# Allegro board 1155001-Timing_board_V3_20241024_1805_pcb.brd (continued)
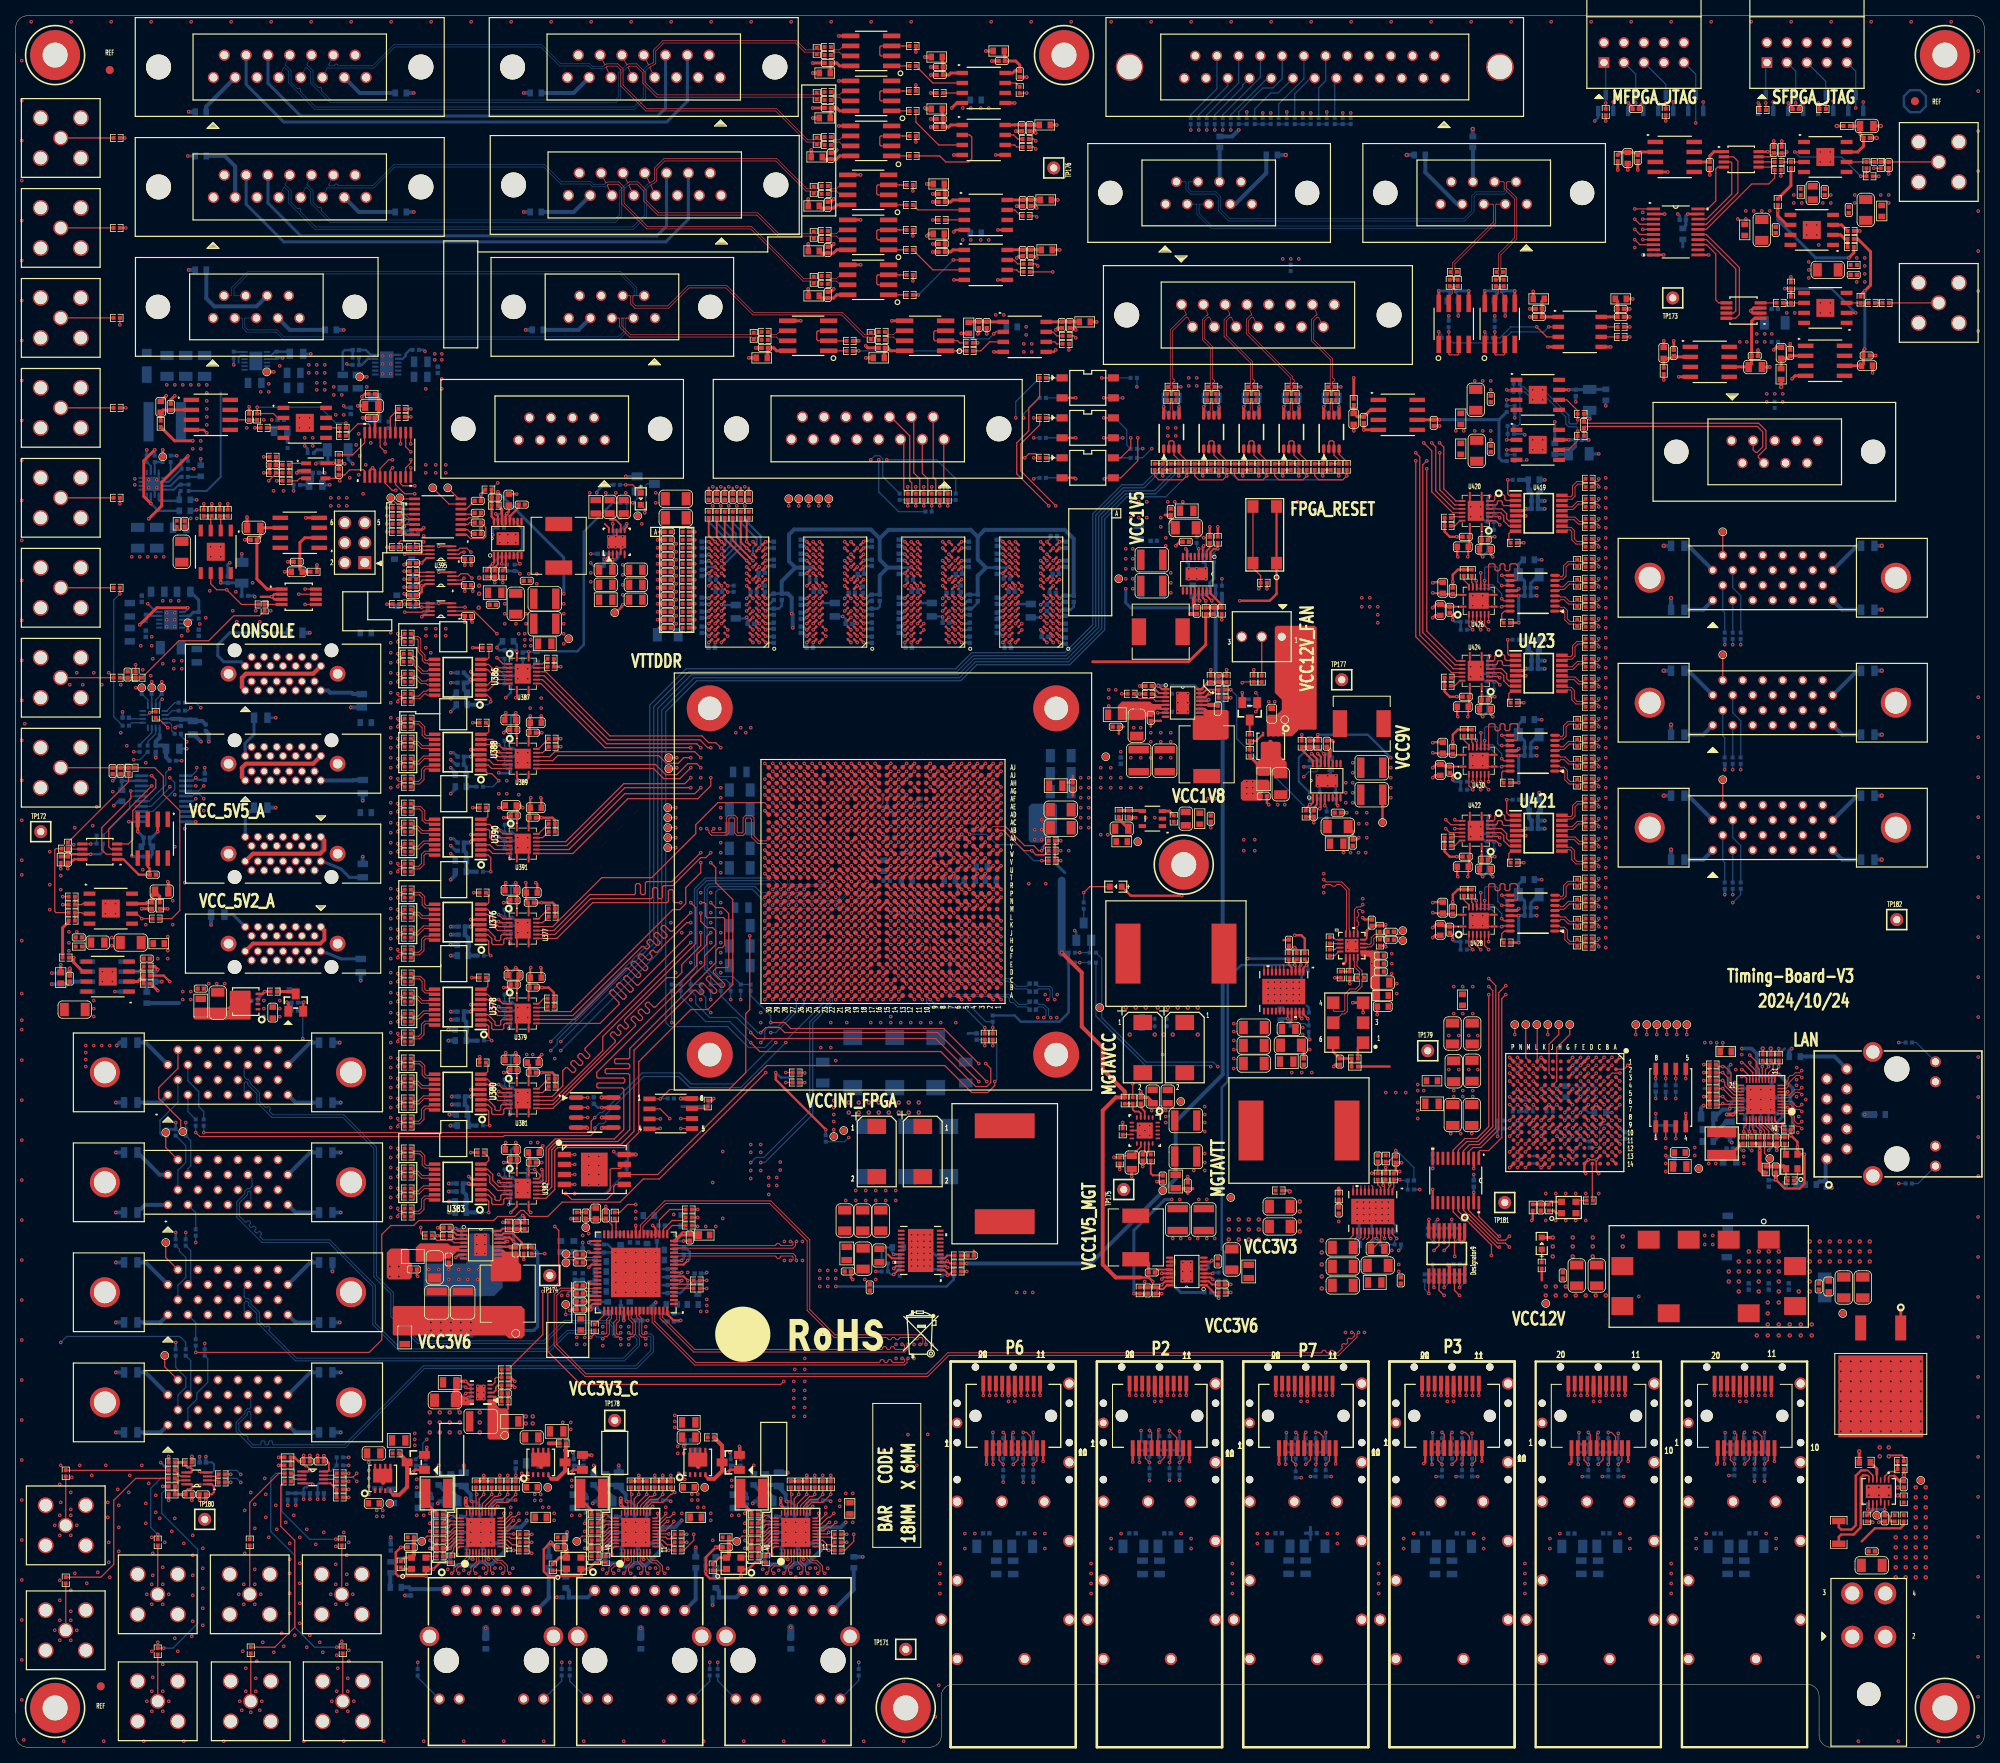
[diagram p0: board, top side]
## Routing (per net, layer and track width the routed paths; a pad name or vN(x,y) marks a point on that pad's centre or on a via; arc(x,y) is an arc through that point) (continued)
HMC7044_1_VCC8_OUT: length 2.4
  TOP w0.254: U105.57 77.24,54.76 77.22,54.74 v1(77.22,54.24)
  BOTTOM w0.508: C1032.1 77.22,54.84 v1(77.22,54.24)
HMC7044_1_VCC9_OUT: length 4.2
  TOP w0.279: U105.68 82.74,55.03 83.54,54.23 v1(84.45,54.23)
  BOTTOM w0.305: v1(84.45,54.23) 84.33,54.23 84.2,54.1 C1035.1 ; C1033.2 84.33,55.12
HMC7044_SYNC: length 55.3
  TOP w0.157: U247.G19 v1(106.14,101) ; R996.2 v1(87.76,59.31)
  ART03 w0.102: v1(106.14,101) 105.74,100.6 105.74,96.55 105.89,96.4 106.3,96.4 106.54,96.17 106.54,94.73 106.31,94.5
  ART03 w0.117: 106.31,94.5 106.17,94.36 106.17,91.65 105.3,90.78 105.3,77.96 v1(105.79,77.47)
  ART05 w0.117: v1(105.79,77.47) 105.79,77.34 v1(87.76,59.31)
  BOTTOM w0.157: R1199.2 105.26,76.94 v1(105.79,77.47)
INPUT_GND: length 2.6
  TOP w0.203: U112.10 236.85,31.75 v2(236.6,32)
  TOP w0.254: C1146.1 236.71,28.68 v1(236.6,28.57)
  TOP w0.381: v2(239.8,34.57) R1063.2
  vias: v1(234.01,0.76) v1(239.09,0.76) v2(217.55,60.45) v2(217.55,59.18) v2(218.82,61.72) v2(218.82,60.45) v2(218.82,59.18) v2(220.09,62.99) v2(220.09,61.72) v2(220.09,60.45) v2(221.36,62.99) v2(221.36,61.72) v2(221.36,60.45) v2(221.36,59.18) v2(222.63,62.99) v2(222.63,61.72) v2(222.63,60.45) v2(223.9,62.99) v2(223.9,61.72) v2(223.9,60.45) v2(223.9,59.18) v2(227.84,64.26) v2(227.84,62.99) v2(227.84,61.72) v2(227.84,60.45) v2(227.84,59.18) v2(229.11,64.26) v2(229.11,62.99) v2(229.11,61.72) v2(230.38,64.26) v2(230.38,62.99) v2(230.38,61.72) v2(231.65,64.26) v2(231.65,62.99) v2(231.65,61.72) v2(232.92,64.26) v2(232.92,62.99) v2(232.92,61.72) v2(234.19,64.26) v2(234.19,62.99) v2(234.19,61.72) v2(235.33,33.02) v2(235.33,32) v2(235.46,64.26) v2(235.46,62.99) v2(235.46,61.72) v2(236.6,33.02) v2(237.87,33.02) v2(237.87,32) v2(238.76,26.67) v2(238.76,25.4) v2(238.76,24.13) v2(238.76,22.86) v2(238.76,21.59) v2(239.01,33.02) v2(239.01,32) v2(240.03,26.67) v2(240.03,25.4) v2(240.03,24.13) v2(240.03,22.86) v2(240.03,21.59) v2(241.3,33.02) v2(241.3,31.75) v2(241.3,30.48) v2(241.3,29.21) v2(241.3,27.94) v2(241.3,26.67) v2(241.3,25.4) v2(241.3,24.13) v2(241.3,22.86) v2(241.3,21.59) v2(242.57,33.02) v2(242.57,31.75) v2(242.57,30.48) v2(242.57,29.21) v2(242.57,27.94) v2(242.57,26.67) v2(242.57,25.4) v2(242.57,24.13) v2(242.57,22.86) v2(242.57,21.59)
INTVCC3V4_1: length 7.3
  TOP w0.305: U115.13 151.35,132.93 v1(151.51,133.1)
  BOTTOM w0.381: R1061.2 149.72,134.87 150.37,134.23 C1175.1 151.45,133.15 v1(151.51,133.1)
INTVCC3V4_2: length 8.8
  TOP w0.279: U116.13 150.24,145.8 v1(150.37,145.67)
  BOTTOM w0.381: R1071.2 152.15,148.46 151.64,147.96 151.64,146.81 151.26,146.43 149.67,146.43 C1189.1 150.05,145.67 v1(150.37,145.67)
INTVCC3V4_3: length 11.2
  TOP w0.279: U114.13 166.25,126.11 v1(166.12,126.24)
  BOTTOM w0.254: R1081.2 162.94,122.7 162.94,125.73 163.96,126.75 165.61,126.75 v1(166.12,126.24)
  BOTTOM w0.381: v1(166.12,126.24) 166.44,126.24 C1164.1
INTVCC3V4_4: length 8.3
  TOP w0.254: U119.13 v1(145.54,60.2)
  BOTTOM w0.381: v1(145.54,60.2) 145.6,60.26 C1220.1 146.94,58.8 147.96,57.78 R1106.2
INTVCC3V4_5: length 6.9
  TOP w0.305: U126.13 62.09,64.1 62.26,64.26 v1(62.43,64.26)
  BOTTOM w0.381: R1142.2 60.39,65.79 C1271.1 61.86,64.84 v1(62.43,64.26)
INTVCC3V4_6: length 9
  TOP w0.279: C2529.1 62.61,157 v1(62.36,156.74) 62.23,156.62 U298.13
  BOTTOM w0.305: R2277.2 64.31,152.3 64.31,154.79 v1(62.36,156.74)
MAX5216_CLK: length 12.5
  TOP w0.157: U318.3 12.1,114.12 11.81,114.4 11.81,116.69 v1(17.27,122.15)
  BOTTOM w0.157: v1(17.27,122.15) U324.18
MAX5216_CLK_ACS: length 10.6
  TOP w0.157: U435.18 214.73,194.16 217.93,197.36 217.93,201.29 217.81,201.42 U434.3
MAX5216_CLK_ACS_LS: length 227.4
  TOP w0.157: U435.3 v1(206.63,194.16) ; U247.T28 v1(97.14,111)
  ART05 w0.117: v1(97.14,111) 96.58,111.56 85.09,111.56 71.96,124.69 71.96,160.06 77.1,165.2 77.1,168.88 80.43,172.21 132.21,172.21 133.48,173.48 180.59,173.48 181.1,172.97 188.47,172.97 189.31,173.81 197.42,173.81 202.76,179.15 202.76,189.42 205.36,192.02 206.63,192.02 207.14,192.53 207.14,193.65 v1(206.63,194.16)
MAX5216_CLK_LS: length 144.5
  TOP w0.157: U247.D24 v1(101.14,98)
  ART05 w0.117: v1(101.14,98) 101.6,97.54 101.6,96.77 101.35,96.52 100.97,96.52 100.58,96.14 100.58,94.61 99.95,93.98 94.49,93.98 92.08,91.57 75.56,91.57 64.11,103.02 62.59,103.02 60.45,105.16 60.45,107.31 57.28,110.49 57.28,141.22 54.99,143.51 52.45,143.51 51.82,144.15 51.31,144.15 50.16,143 36.72,143 35.37,141.66 26.97,141.66 24.82,139.5 24.82,132.41 25.02,132.21 25.02,126.87 23.5,125.35 23.5,123.19 22.86,122.56 v1(22.86,122.15)
  BOTTOM w0.157: v1(22.86,122.15) U324.3
MAX5216_CLR: length 7.7
  BOTTOM w0.157: U324.16 14.8,120.85 14.48,120.52 14.48,119.23 R3024.1
MAX5216_CLR_ACS: length 15.7
  TOP w0.157: U434.5 223.01,200.77 R3283.2 223.37,199.37 222.63,198.63 220.47,198.63 214.7,192.86 U435.16
MAX5216_CLR_ACS_LS: length 227.2
  TOP w0.157: U435.5 v1(206.63,192.86) ; U247.T27 v1(98.14,111)
  ART05 w0.117: v1(206.63,192.86) 206.18,192.41 204.98,192.41 202.31,189.73 202.31,179.34 197.08,174.11 171.2,174.11 170.81,174.49 132.86,174.49 131.11,172.75 80.55,172.75 76.8,169 76.8,165.32 71.66,160.18 71.66,124.56 85.63,110.59 97.73,110.59 v1(98.14,111)
MAX5216_CLR_LS: length 150.2
  TOP w0.157: U247.C19 v1(106.14,97)
  ART05 w0.117: v1(106.14,97) 105.81,97 105.4,97.41 103.89,97.41 103.64,97.16 103.64,95.89 103.25,95.5 102.87,95.5 102.62,95.25 102.62,94.87 100.46,92.71 93.98,92.71 92.33,91.06 75.31,91.06 63.78,102.59 62.38,102.59 59.7,105.28 59.7,106.29 56.77,109.22 56.77,141.1 54.86,143 51.53,143 51.02,142.49 36.93,142.49 35.58,141.15 27.1,141.15 25.27,139.32 25.27,132.75 25.53,132.49 25.53,126.75 24.51,125.73 24.51,123.57 23.37,122.43 23.37,121.03 v1(23.88,120.52)
  BOTTOM w0.157: U324.5 22.42,120.85 22.61,121.03 23.37,121.03 v1(23.88,120.52)
MAX5216_CS: length 12.5
  TOP w0.157: v1(14.61,121.5) 14.61,120.52 10.92,116.84 10.92,114.05 11.5,113.47 U318.2
  BOTTOM w0.157: v1(14.61,121.5) U324.17
MAX5216_CS_ACS: length 12.8
  TOP w0.157: U434.2 218.17,202.07 218.71,201.53 218.71,197.5 214.72,193.51 U435.17
MAX5216_CS_ACS_LS: length 231.6
  TOP w0.102: v1(99.14,111) U247.T26
  TOP w0.157: U435.4 206.26,193.51 v1(205.61,194.16)
  ART05 w0.117: v1(205.61,194.16) 201.72,190.26 201.72,179.58 196.84,174.7 171.44,174.7 171.06,175.08 132.61,175.08 130.87,173.34 80.31,173.34 76.22,169.25 76.22,165.56 71.07,160.42 71.07,124.29 85.53,109.83 98.53,109.83 99.14,110.44 v1(99.14,111)
MAX5216_CS_LS: length 143.5
  TOP w0.157: U247.A22 v1(103.14,95)
  ART05 w0.117: v1(23.88,122.15) 24.89,123.16 24.89,125.6 25.91,126.62 25.91,132.65 25.65,132.9 25.65,139.19 27.23,140.77 35.74,140.77 37.08,142.11 51.18,142.11 51.69,142.62 54.74,142.62 56.39,140.97 56.39,108.97 59.18,106.17 59.18,104.27 65.15,98.3 67.18,98.3 74.8,90.68 92.46,90.68 93.22,91.44 99.9,91.44 103.14,94.68 v1(103.14,95)
  BOTTOM w0.157: v1(23.88,122.15) 23.23,121.5 U324.4
MAX5216_DAC_OUT: length 2
  TOP w0.157: U434.6 R3285.2
MAX5216_DIN: length 13.1
  TOP w0.157: U318.4 14.31,114.77 14.86,115.32 14.86,119 17.78,121.92 17.78,122.94 v1(17.27,123.44)
  BOTTOM w0.157: v1(17.27,123.44) 17.27,123.45 U324.20
MAX5216_DIN_ACS: length 7.9
  TOP w0.157: U434.4 216.14,200.77 215.9,200.53 215.9,196.47 214.88,195.46 U435.20
MAX5216_DIN_ACS_LS: length 230.7
  TOP w0.157: U435.1 v1(205.61,195.46) ; U247.R28 v1(97.14,109)
  ART05 w0.117: v1(97.14,109) 96.69,109.45 85.45,109.45 70.78,124.11 70.78,160.55 75.92,165.69 75.92,169.37 80.19,173.63 130.75,173.63 132.49,175.38 171.18,175.38 171.56,175 196.71,175 201.42,179.71 201.42,190.75 205.61,194.94 v1(205.61,195.46)
MAX5216_DIN_LS: length 142.6
  TOP w0.157: U247.E24 v1(101.14,99)
  ART05 w0.102: v1(101.14,99) 100.74,98.6 100.74,96.8 100.66,96.73
  ART05 w0.117: 100.66,96.73 100.46,96.52 100.08,96.52 99.64,96.08 99.64,94.81 99.39,94.56 94.38,94.56 92.02,92.2 87.25,92.2 86.92,92.53 75.36,92.53 62.1,105.79 62.1,106.3 58.55,109.86 58.55,140.59 55.12,144.02 53.09,144.02 51.82,145.29 51.18,145.29 49.4,143.51 36.5,143.51 35.16,142.16 26.85,142.16 24.38,139.7 24.38,130.43 24,130.05 24,126.49 22.99,125.48 v1(22.99,124.46)
  BOTTOM w0.157: U324.1 22.36,123.45 22.99,124.08 v1(22.99,124.46)
MGTAVCC: length 31.5
  TOP w0.305: R1100.2 163.7,102.74 163.28,103.17 v1(162.43,103.17) ; U247.K7 v1(119.14,104) ; U247.P7 v1(119.14,108) ; U247.H7 v1(119.14,102) ; U247.B7 v1(119.14,96) ; U247.F7 v1(119.14,100) ; U247.D7 v1(119.14,98) ; U247.M7 v1(119.14,106)
  ART10 w0.305: v2(150.11,93.98) 153.24,93.98 v1(162.43,103.17)
  BOTTOM w0.254: C2258.1 119.63,109.29 119.63,108.53 C2264.1
  BOTTOM w0.305: v1(119.14,104) 119.63,103.51 C2259.1 ; C2265.1 119.64,98.5 v1(119.14,98) ; C144.1 119.64,96.5 v1(119.14,96) ; C2261.1 119.64,99.5 v1(119.14,100) 119.64,100.5 C2263.1 ; C2266.1 119.64,107.5 v1(119.14,108) 119.64,108.5 C2264.1
  vias: v2(140.97,93.98) v2(142.24,93.98) v2(143.51,93.98) v2(145.03,93.98) v2(146.3,93.98) v2(147.57,93.98) v2(148.84,93.98)
MGTAVCC_PG: length 48.8
  TOP w0.254: R1091.2 162.43,99.84 v1(162.43,99.39) 162.54,99.29 U118.3
  BOTTOM w0.305: v1(162.43,99.39) 155.65,99.39 153.92,97.66 153.92,84.58 153.16,83.82 153.16,63.25 153.56,62.85 R1102.1
MGTAVTT: length 25.8
  TOP w0.305: U247.M3 v1(123.14,107) ; U247.P3 v1(123.14,108) ; U247.C5 v1(121.14,97) ; U247.W7 v1(118.14,114) ; U247.U5 v1(121.14,112) ; U247.K3 v1(123.14,104) ; U247.B3 v1(123.14,96) ; U247.V3 v1(123.14,113) ; U247.L5 v1(121.14,105) ; U247.R5 v1(121.14,109) ; U247.D3 v1(123.14,98) ; U247.G5 v1(121.14,101) ; U247.W5 v1(121.14,113) ; U247.F3 v1(123.14,100) ; U247.J5 v1(121.14,103) ; U247.T3 v1(123.14,111) ; U247.H3 v1(123.14,102) ; U247.E5 v1(121.14,99) ; U247.N5 v1(121.14,107)
  TOP w0.381: 144.4,81.95 143.78,82.57 C1235.2 v1(142.88,83.31)
  BOTTOM w0.305: v1(121.14,103) 120.64,102.5 C2273.1 ; v1(121.14,113) U247.W5 C2272.1 ; v1(123.14,102) 123.61,102.47 C146.1 ; U247.F3 v1(123.14,100) ; C2274.1 123.61,104.47 v1(123.14,104) ; v1(123.14,108) 123.61,108.47 C2278.1 ; v1(119.14,114) 119.61,113.53 C2276.1 ; R165.1 117.54,113.41 v1(118.14,114) ; C2279.1 120.64,106.5 v1(121.14,107) ; C2275.1 120.66,104.52 v1(121.14,105) ; C2271.1 123.12,110.99 v1(123.14,111) 123.38,111.24 C2270.1 ; C147.1 122.66,106.53 v1(123.14,107)
  vias: v1(144.27,80.9) v1(145.16,80.9) v1(146.05,80.9) v1(146.05,80.14) v1(146.05,79.38)
MGTAVTT_PG: length 60.7
  TOP w0.157: U247.L20 v1(105.14,105) ; v1(141.86,84.3) R1113.2
  ART05 w0.117: v1(128.65,109.72) 110.99,109.72 110.49,109.22 110.49,106.05 109.94,105.5 U247.L20 v1(105.14,105)
  ART08 w0.117: v1(128.65,109.72) 128.65,108.33 135.67,101.31 135.67,97.63 140.84,92.46 140.84,85.32 v1(141.86,84.3)
MGTVCCAUX: length 4.6
  TOP w0.305: U247.T7 v1(119.14,111) ; U247.V7 v1(119.14,113)
  BOTTOM w0.305: C148.1 118.64,111.5 v1(119.14,111) ; v1(119.14,113) 118.67,113.47 C2269.1 ; v1(119.14,111) 119.32,110.82 C2267.1 ; v1(119.14,111) 119.64,111.5 C2268.1
  vias: v1(132.72,113.92) v1(133.73,113.92)
MOTO_OUTPUT_ACQ: length 20.3
  TOP w0.157: R3125.1 28.66,145.2 v1(26.8,147.07) 25.53,147.07 24.77,147.83 U415.6 ; R3110.1 v1(26.92,157.99)
  ART05 w0.117: v1(26.8,147.07) 26.67,147.19 26.67,157.73 v1(26.92,157.99)
MOTO_VOLTAGE_IN: length 19.1
  TOP w0.157: R3141.2 20.72,140.59 24.51,140.59 27.69,143.76 30.97,143.76 R3126.1
MOTO_VOLTAGE_IN_AMP: length 27.7
  TOP w0.157: v1(15.22,137.54) R3149.2 ; R3108.2 v1(23.88,157.99)
  ART08 w0.117: v1(23.88,157.99) 21.21,157.99 17.27,154.05 17.27,150.88 14.61,148.21 14.61,138.16 v1(15.22,137.54)
MOTO_VOLTAGE_OUT: length 11.9
  TOP w0.157: R1911.2 14.33,122.68 R3116.1
MOTO_VOLTAGE_OUT_AMP: length 25.1
  TOP w0.157: R3142.2 17.65,124.46 18.75,123.37 18.75,121.08 20.83,119 20.83,106.3 19.81,105.28 R3117.1
NC_GNDADC_R: length 1.4
  TOP w0.157: U88.F7 v1(197.72,80.65)
  BOTTOM w0.305: R791.1 198.21,81.14 v1(197.72,80.65)
NC_VREFN_R: length 1.4
  TOP w0.157: U88.G7 v1(196.72,80.65)
  BOTTOM w0.305: v1(196.72,80.65) U88.G7 R790.1
NC_VREFP_R: length 1.4
  TOP w0.157: U88.H8 v1(196.72,79.65)
  BOTTOM w0.305: R789.1 197.22,80.15 v1(196.72,79.65)
Net_2: length 9.4
  BOTTOM w0.305: 241.83,207.75 240.56,207.75 239.8,208.51 239.8,209.78 240.56,210.54 241.83,210.54 242.6,209.78 242.6,208.51 241.83,207.75
QSPI_CLK: length 60.7
  TOP w0.157: U7.6 81.53,72.77 95.38,86.61 117.98,86.61 121.41,83.19 123.44,83.19 124.33,84.07 v1(124.33,84.58)
  BOTTOM w0.157: R508.2 124.59,89.39 124.59,84.84 v1(124.33,84.58)
QSPI_CS_B: length 36.4
  TOP w0.157: U7.1 v1(70.99,75.31)
  ART10 w0.117: v1(70.99,75.31) 70.99,83.82 79.73,92.56 88.62,92.56 90.81,94.74 v1(90.81,95)
  BOTTOM w0.157: R496.2 70.99,75.31 v1(70.99,75.31) ; R502.2 v1(90.81,95)
QSPI_CS_B_R: length 37.6
  TOP w0.157: U247.U19 v1(106.14,112)
  BOTTOM w0.102: v1(106.14,112) 106.14,111.98 105.66,111.51 105.66,108.67 104.39,107.4 96.18,107.4 95.74,107.83 95.74,108.1 95.25,108.58 94.64,108.58
  BOTTOM w0.157: R502.1 90.19,97.54 89.28,97.54 87.81,99.01 87.81,109.01 88.15,109.35 93.87,109.35 94.64,108.58
QSPI_MISO0: length 48.5
  TOP w0.157: v1(69.85,70.36) 70.61,69.6 75.06,69.6 75.95,70.48 75.95,71.25 76.21,71.51 U7.5
  ART10 w0.117: v1(88.27,93.34) 87.65,93.96 80.11,93.96 70.1,83.95 70.1,70.61 v1(69.85,70.36)
  BOTTOM w0.157: R504.2 87,95.89 87.63,95.25 87.63,93.98 v1(88.27,93.34)
QSPI_MISO1: length 30.6
  TOP w0.157: U7.2 v1(70.99,74.05)
  ART10 w0.117: v1(83.31,92.08) 79.76,92.08 71.5,83.82 71.5,74.55 v1(70.99,74.05)
  BOTTOM w0.157: R506.2 v1(83.31,92.08)
QSPI_MISO2: length 39.5
  TOP w0.157: U7.3 70.99,72.77 v1(70.99,72.77)
  ART10 w0.117: v1(70.99,72.77) 71.88,73.66 71.88,83.69 79.76,91.57 88.34,91.57 91.39,94.61 91.69,94.61 92.08,95 v1(92.08,95)
  BOTTOM w0.157: R510.2 v1(92.08,95) ; R497.2 v1(70.99,72.77)
QSPI_MISO3: length 56.3
  TOP w0.157: U7.7 76.77,73.53 75.65,73.53 75.49,73.38 75.49,70.79 75.06,70.36 v1(70.99,70.36)
  ART10 w0.117: v1(88.27,95) 88.7,94.56 88.7,93.17 88.44,92.91 79.57,92.91 70.48,83.82 70.48,70.87 v1(70.99,70.36)
  BOTTOM w0.157: R498.2 77.6,73.15 74.8,70.36 v1(70.99,70.36) ; R512.2 v1(88.27,95)
RC_C: length 8.6
  TOP w0.157: J66.1 C3004.2 C3003.2 R1911.1
RF_EMISSION_LS: length 71.4
  TOP w0.122: U247.N30 v1(95.14,107)
  TOP w0.157: v1(57.94,148.54) 57.38,149.1 56.52,149.1 56.21,148.79 U395.3
  ART03 w0.117: v1(88.27,106.05) 87.63,106.68 81.41,106.68 65.79,122.3 63.75,122.3 63.25,122.81 63.25,130.94 62.87,131.32 62.87,136.02 60.16,138.72 60.16,144.43 58.93,145.67 58.42,145.67 57.53,146.56 57.53,148.13 v1(57.94,148.54)
  ART05 w0.117: v1(88.27,106.05) 88.8,106.58 90.07,106.58 90.49,107 v1(95.14,107)
RF_EMISSION_S: length 70.1
  TOP w0.157: R3196.2 v1(49.33,148.41) ; R3034.2 v1(13.97,193.04)
  ART10 w0.117: v1(49.33,148.41) 50.42,149.5 50.42,158.12 49.28,159.26 49.28,164.47 44.13,169.61 43.37,169.61 41.91,171.07 28.19,171.07 21.21,178.05 21.21,185.8 v1(13.97,193.04)
RF_ENABLE_1: length 122.1
  TOP w0.157: U247.G28 v1(97.14,101)
  ART03 w0.102: 94.74,102.23 94.91,102.4 95.34,102.4 95.63,102.11 95.63,101.85 96.01,101.47 96.67,101.47 v1(97.14,101)
  ART03 w0.117: v1(88.27,99.69) 88.9,100.33 92.84,100.33 94.74,102.23
  ART08 w0.117: v1(24,51.31) 21.72,51.31 17.91,55.12 17.91,73.66 20.19,75.95 25.02,75.95 26.54,77.47 48.77,77.47 58.29,87 63.12,87 70.36,94.23 87.12,94.23 87.63,94.74 87.63,99.06 v1(88.27,99.69)
  BOTTOM w0.157: R2777.2 v1(24,51.31)
RF_ENABLE_2: length 113.4
  TOP w0.157: U247.G17 v1(108.14,101)
  ART05 w0.117: v1(97.09,73.34) 96.71,73.34 96.14,72.77 96.14,71.12 95.91,70.89 95.36,70.89 94.19,69.72 75.06,69.72 73.41,68.07 68.33,68.07 65.79,65.53 57.94,65.53 56.55,64.14 v1(22.86,64.14)
  ART10 w0.102: v1(108.14,101) 108.74,100.4 108.74,94.57 108.79,94.53 108.79,94.5
  ART10 w0.117: v1(97.09,73.34) 103.15,79.4 103.15,83.34 108.15,88.34 108.15,92.88 108.79,93.51 108.79,94.5
  BOTTOM w0.157: R2778.2 v1(22.86,64.14)
RF_ENABLE_3: length 146.2
  TOP w0.157: v1(73.56,78.66) 73.56,78.26 73.03,77.72 62.06,77.72 61.93,77.6 23.37,77.6 v1(22.86,78.11) ; U247.C20 v1(105.14,97)
  ART05 w0.102: 103.39,94.5 103.54,94.65 103.54,95.33 103.8,95.6 104.45,95.6 104.74,95.89 104.74,96.6 v1(105.14,97)
  ART05 w0.117: v1(22.86,78.11) 23.37,77.6 72.42,77.6 73.48,78.66 v1(73.56,78.66) ; 103.39,94.5 98.42,89.53 v1(97.79,89.53)
  BOTTOM w0.157: v1(73.56,78.66) 73.56,78.74 74.07,79.25 74.68,79.25 74.93,79.5 74.93,80.39 79.76,85.22 84.2,85.22 85.6,83.82 92.08,83.82 v1(97.79,89.53) ; R2779.2 v1(22.86,78.11)
RF_ENABLE_4: length 116.1
  TOP w0.157: U247.A16 v1(109.14,95) ; v1(22.86,50.16) 44.89,50.16 46.48,51.76 46.48,65.15 47.62,66.29 50.55,66.29 51.18,66.93 60.71,66.93 61.21,67.44 63.37,67.44 64.14,68.2 64.52,68.2 65.28,67.44 67.56,67.44 69.39,69.26 76.75,69.26 79.69,72.2 81.72,72.2 v1(95.25,85.72)
  ART05 w0.117: v1(95.25,85.72) 95.92,86.39 102.65,86.39 107.53,91.27 107.53,93.03 109.14,94.64 v1(109.14,95)
  BOTTOM w0.157: R2783.2 v1(22.86,50.16)
RF_ENABLE_5: length 279.2
  TOP w0.157: U247.G24 v1(101.14,101)
  ART03 w0.117: v1(98.93,48.01) 99.44,47.5 116.46,47.5 119.89,50.93 180.34,50.93 188.85,59.44 201.55,59.44 210.69,68.58 213.11,68.58 217.17,72.64 220.22,72.64 223.14,75.56 223.14,76.2 223.77,76.83 226.57,76.83 228.35,78.61 228.35,92.33 213.74,106.93 213.74,135.76 v1(218.06,140.08)
  ART10 w0.102: v1(101.14,101) 101.54,101.4 103.45,101.4 103.63,101.22 103.63,100.94 103.97,100.6 106.39,100.6 106.74,100.25 106.74,94.5
  ART10 w0.117: 106.74,94.5 106.74,94.44 106.81,94.37 106.81,89.03 101.87,84.09 101.87,80.79 95.7,74.62 95.7,73.73 94.61,72.64 94.61,52.32 v1(98.93,48.01)
  BOTTOM w0.157: R3155.2 v1(218.06,140.08)
RF_ENABLE_6: length 226.6
  TOP w0.157: U247.A27 v1(98.14,95)
  ART05 w0.117: v1(98.81,43.18) 99.31,43.69 114.81,43.69 122.81,51.69 171.42,51.69 178.71,58.98 178.71,64.57 179.47,65.34 187.09,65.34 187.91,66.15 199.88,66.15 209.09,75.36 209.09,78.28 213.11,82.3 213.11,90.55 218.57,96.01 218.57,107.82 v1(218.06,108.33)
  ART10 w0.102: v1(98.14,95) 98.14,94.5
  ART10 w0.117: v1(98.81,43.18) 98.04,43.18 91.57,49.66 91.57,68.55 90.02,70.1 90.02,71.5 87.76,73.76 87.76,76.55 93.6,82.39 93.6,87.25 96.52,90.17 96.52,91.34 98.14,92.96 98.14,94.5
  BOTTOM w0.157: R3162.2 v1(218.06,108.33)
RF_ENABLE_7: length 257.1
  TOP w0.157: U247.C29 v1(96.14,97)
  ART05 w0.117: v1(218.06,124.21) 218.95,123.32 222.12,123.32 225.57,119.87 225.57,119.23 226.72,118.09 226.72,117.45 227.99,116.18 227.99,115.59 226.72,114.32 226.72,103.53 213.49,90.3 213.49,77.72 210.44,74.68 208.91,74.68 200,65.76 188.07,65.76 187.28,64.98 179.66,64.98 179.09,64.41 179.09,58.82 171.58,51.31 122.94,51.31 114.3,42.67 99.44,42.67 v1(98.81,42.04)
  ART10 w0.102: 96.4,94.48 96.54,94.61 96.54,96.6 v1(96.14,97)
  ART10 w0.117: v1(98.81,42.04) 98.01,42.04 90.81,49.25 90.81,68.17 87,71.98 87,76.93 92.71,82.65 92.71,89.53 96.17,93 96.17,94.25 96.4,94.48
  BOTTOM w0.157: R3169.2 v1(218.06,124.21)
RF_ENABLE_LS: length 79.1
  TOP w0.122: U247.K25 v1(100.14,104)
  TOP w0.157: U395.2 56.67,148.29 v1(56.92,148.54)
  ART03 w0.117: v1(56.92,148.54) 56.61,148.23 56.61,144.56 56.9,144.27 57.86,144.27 59.31,142.82 59.31,137.79 61.21,135.89 61.21,128.78 61.85,128.14 61.85,122.56 62.87,121.54 64.39,121.54 64.64,121.28 64.64,120.52 65.66,119.51 66.93,119.51 83.66,102.78 87.72,102.78 v1(88.27,102.23)
  ART05 w0.102: 94.77,103.6 99.74,103.6 v1(100.14,104)
  ART05 w0.117: v1(88.27,102.23) 88.72,102.69 91.26,102.69 92.17,103.6 94.77,103.6
RF_ENABLE_S: length 83.6
  TOP w0.157: R1910.2 v1(13.84,204.47) ; R3106.2 v1(49.33,147.4)
  ART10 w0.117: v1(13.84,204.47) 13.84,194.94 22.35,186.44 22.35,178.18 26.54,173.99 41.78,173.99 42.16,173.61 42.8,173.61 49.66,166.75 49.66,159.42 50.8,158.27 50.8,148.87 v1(49.33,147.4)
RF_FAULT: length 11.4
  TOP w0.157: U394.7 v1(49.4,151.59)
  ART08 w0.117: J115.2 42.43,150.51 43.69,151.76 49.23,151.76 v1(49.4,151.59)
RF_FAULT_1: length 147.2
  TOP w0.122: U247.F28 v1(97.14,100)
  ART03 w0.102: 94.61,102.6 97.3,102.6 97.54,102.36 97.54,100.4 v1(97.14,100)
  ART03 w0.117: 94.61,102.6 92.72,102.6 92.46,102.87 88.27,102.87 87,104.14 83.84,104.14 v1(83.21,104.78)
  ART08 w0.117: v1(83.21,104.78) 69.21,104.78 65.66,101.22 59.56,101.22 49.63,91.29 44.81,91.29 38.73,85.22 38.72,85.22 34.28,80.77 15.11,80.77 5.71,71.37 v1(5.71,51.44)
  BOTTOM w0.157: R2780.2 21.59,51.43 20.83,52.2 6.48,52.2 v1(5.71,51.44)
RF_FAULT_2: length 119.3
  TOP w0.157: U247.F17 v1(108.14,100)
  ART05 w0.117: v1(21.59,79.38) 21.59,78.11 22.99,76.71 33.27,76.71 45.47,64.52 56.39,64.52 57.78,65.91 65.66,65.91 68.2,68.45 73.15,68.45 74.8,70.1 93.85,70.1 95,71.25 95,72.39 96.96,74.36 v1(97.09,74.36)
  ART10 w0.102: v1(108.14,100) 108.54,99.6 108.54,94.57 108.49,94.53 108.49,94.5
  ART10 w0.117: v1(97.09,74.36) 102.86,80.12 102.86,83.55 107.86,88.55 107.86,93 108.49,93.63 108.49,94.5
  BOTTOM w0.157: R2781.2 v1(21.59,79.38)
RF_FAULT_3: length 143.4
  TOP w0.157: v1(73.53,80.01) 73.08,79.56 73.08,78.41 72.77,78.11 v1(23.88,78.11) ; U247.B20 v1(105.14,96)
  ART05 w0.102: v1(105.14,96) 104.54,95.4 103.89,95.4 103.74,95.25 103.74,94.5
  ART05 w0.117: 103.74,94.5 103.74,94.29 98.57,89.12 96.94,89.12 v1(96.52,89.53) ; v1(23.88,78.11) 70.66,78.11 71.93,79.38 72.9,79.38 v1(73.53,80.01)
  BOTTOM w0.157: R2782.2 v1(23.88,78.11) ; v1(96.52,89.53) 91.27,84.28 85.77,84.28 84.37,85.68 79.56,85.68 74.53,80.64 74.17,80.64 v1(73.53,80.01)
RF_FAULT_4: length 114.5
  TOP w0.157: U247.A17 v1(108.14,95)
  ART05 w0.117: v1(108.14,95) 108.14,94.51 106.94,93.31 106.94,91.57 102.36,87 95.34,87 91.93,83.6 72.36,83.6 v1(68.45,87.5)
  ART08 w0.117: v1(21.59,65.41) 21.34,65.41 18.29,68.45 18.29,73.53 20.32,75.56 25.15,75.56 26.67,77.09 48.9,77.09 58.38,86.57 67.14,86.57 68.07,87.5 v1(68.45,87.5)
  BOTTOM w0.157: R2784.2 v1(21.59,65.41)
RF_FAULT_5: length 288.9
  TOP w0.157: U247.B27 v1(98.14,96)
  ART03 w0.117: v1(100.2,48.01) 116.33,48.01 119.63,51.31 180.18,51.31 188.69,59.82 201.42,59.82 210.54,68.94 212.96,68.94 217.04,73.03 219.84,73.03 222,75.18 222,76.2 223.01,77.22 226.34,77.22 227.99,78.87 227.99,92.18 213.38,106.79 213.38,137.05 216.92,140.59 218.57,140.59 v1(219.07,140.08)
  ART10 w0.102: v1(98.14,96) 98.54,96.4 98.54,98.17 98.92,98.55 99.31,98.55 99.57,98.81 99.57,99.19 99.82,99.44 100.46,99.44 100.58,99.57 100.58,101.18 100.84,101.43 101.17,101.43 101.34,101.6 103.69,101.6 103.89,101.4 107.36,101.4 107.54,101.22 107.54,94.64 107.4,94.5
  ART10 w0.117: v1(100.2,48.01) 95,53.21 95,72.42 96.13,73.55 96.13,74.42 102.27,80.56 102.27,83.98 107.27,88.98 107.27,94.37 107.4,94.5
  BOTTOM w0.157: R3156.2 v1(219.07,140.08)
RF_FAULT_6: length 227.3
  TOP w0.157: U247.C24 v1(101.14,97)
  ART05 w0.117: v1(98.81,44.32) 99.31,44.83 115.44,44.83 122.67,52.05 171.27,52.05 178.35,59.13 178.35,64.72 179.3,65.67 186.92,65.67 187.76,66.51 199.73,66.51 208.71,75.49 208.71,78.41 212.75,82.44 212.75,90.7 218.06,96.01 v1(218.06,107.31)
  ART10 w0.102: v1(101.14,97) 101.14,96.85 100.54,96.25 100.54,94.67 100.45,94.58 100.45,94.5
  ART10 w0.117: 100.45,94.5 100.45,94.2 97.36,91.11 97.36,88.91 94.36,85.91 94.36,82.07 88.52,76.23 88.52,74.08 90.78,71.81 90.78,70.41 92.33,68.87 92.33,50.04 98.04,44.32 v1(98.81,44.32)
  BOTTOM w0.157: R3163.2 219.07,108.33 v1(218.06,107.31)
RF_FAULT_7: length 257.6
  TOP w0.157: U247.D29 v1(96.14,98)
  ART05 w0.117: v1(100.2,42.04) 114.17,42.04 123.08,50.95 171.73,50.95 179.45,58.67 179.45,64.26 179.83,64.64 187.45,64.64 188.21,65.41 200.15,65.41 208.41,73.66 210.06,73.66 213.85,77.45 213.85,90.15 227.08,103.38 227.08,114.17 228.35,115.44 228.35,116.33 227.08,117.6 227.08,118.24 225.93,119.38 225.93,120.02 221.74,124.21 v1(219.07,124.21)
  ART10 w0.102: 96.74,94.49 96.74,97.4 v1(96.14,98)
  ART10 w0.117: 96.74,94.49 96.74,93.05 96.71,93.02 96.71,92.27 95.25,90.81 95.25,89.41 93.09,87.25 93.09,82.49 87.38,76.77 87.38,72.14 91.19,68.33 91.19,49.4 98.04,42.55 99.69,42.55 v1(100.2,42.04)
  BOTTOM w0.157: R3170.2 v1(219.07,124.21)
RF_FAULT_LS: length 74.7
  TOP w0.122: U247.M30 v1(95.14,106)
  TOP w0.157: v1(56.92,151.84) 56.54,151.84 56.29,151.59 U394.2
  ART03 w0.117: v1(56.92,151.84) 59.69,149.07 59.69,146.18 60.55,145.32 60.55,139.61 64.19,135.97 64.19,124.41 80.64,107.95 88.27,107.95 88.77,107.44 88.77,105.28 v1(88.27,104.78)
  ART05 w0.102: v1(95.14,106) 94.67,106 94.66,105.99 94.64,105.99
  ART05 w0.117: v1(88.27,104.78) 88.51,105.02 90.41,105.02 91.39,105.99 94.64,105.99
RF_FPS_TRIGGER_1_N: length 145.3
  TOP w0.122: v1(100.14,114) U247.W26
  ART10 w0.099: J62.19 25.68,46.08 25.3,45.69 25.3,45.19 25.4,45.09 25.53,45.09 26.67,46.23 26.67,47.24 27.94,48.51 35.55,48.51 35.85,48.21 35.85,46.22 35.95,46.12 36.35,46.12 36.45,46.22 36.45,48.21 36.74,48.51 37.43,48.51 37.73,48.21 37.73,46.22 37.82,46.12 38.22,46.12 38.32,46.22 38.32,48.21 38.62,48.51 39.3,48.51 39.6,48.21 39.6,46.22 39.7,46.12 40.1,46.12 40.19,46.22 40.19,48.21 40.49,48.51 42.57,48.51 43.07,49.01 43.49,49.01 44.05,48.46 44.19,48.46 44.47,48.74 44.47,48.88 43.91,49.43 43.91,49.86 44.39,50.34 44.82,50.34 45.39,49.76 45.53,49.76 45.82,50.05 45.82,50.19 45.24,50.76 45.24,51.19 46.1,52.05 46.1,76.96 46.99,77.85 48.77,77.85 50.16,79.25 50.16,87.63 54.48,91.95 57.02,91.95 58.93,93.85 58.93,95.25 61.15,97.48 67.07,97.48 76.4,106.81 91.46,106.81 94.4,109.74 94.4,109.74 94.6,109.95 94.72,109.95 94.74,109.95